# KiCad board !HDMI2USB.kicad_pcb (continued)
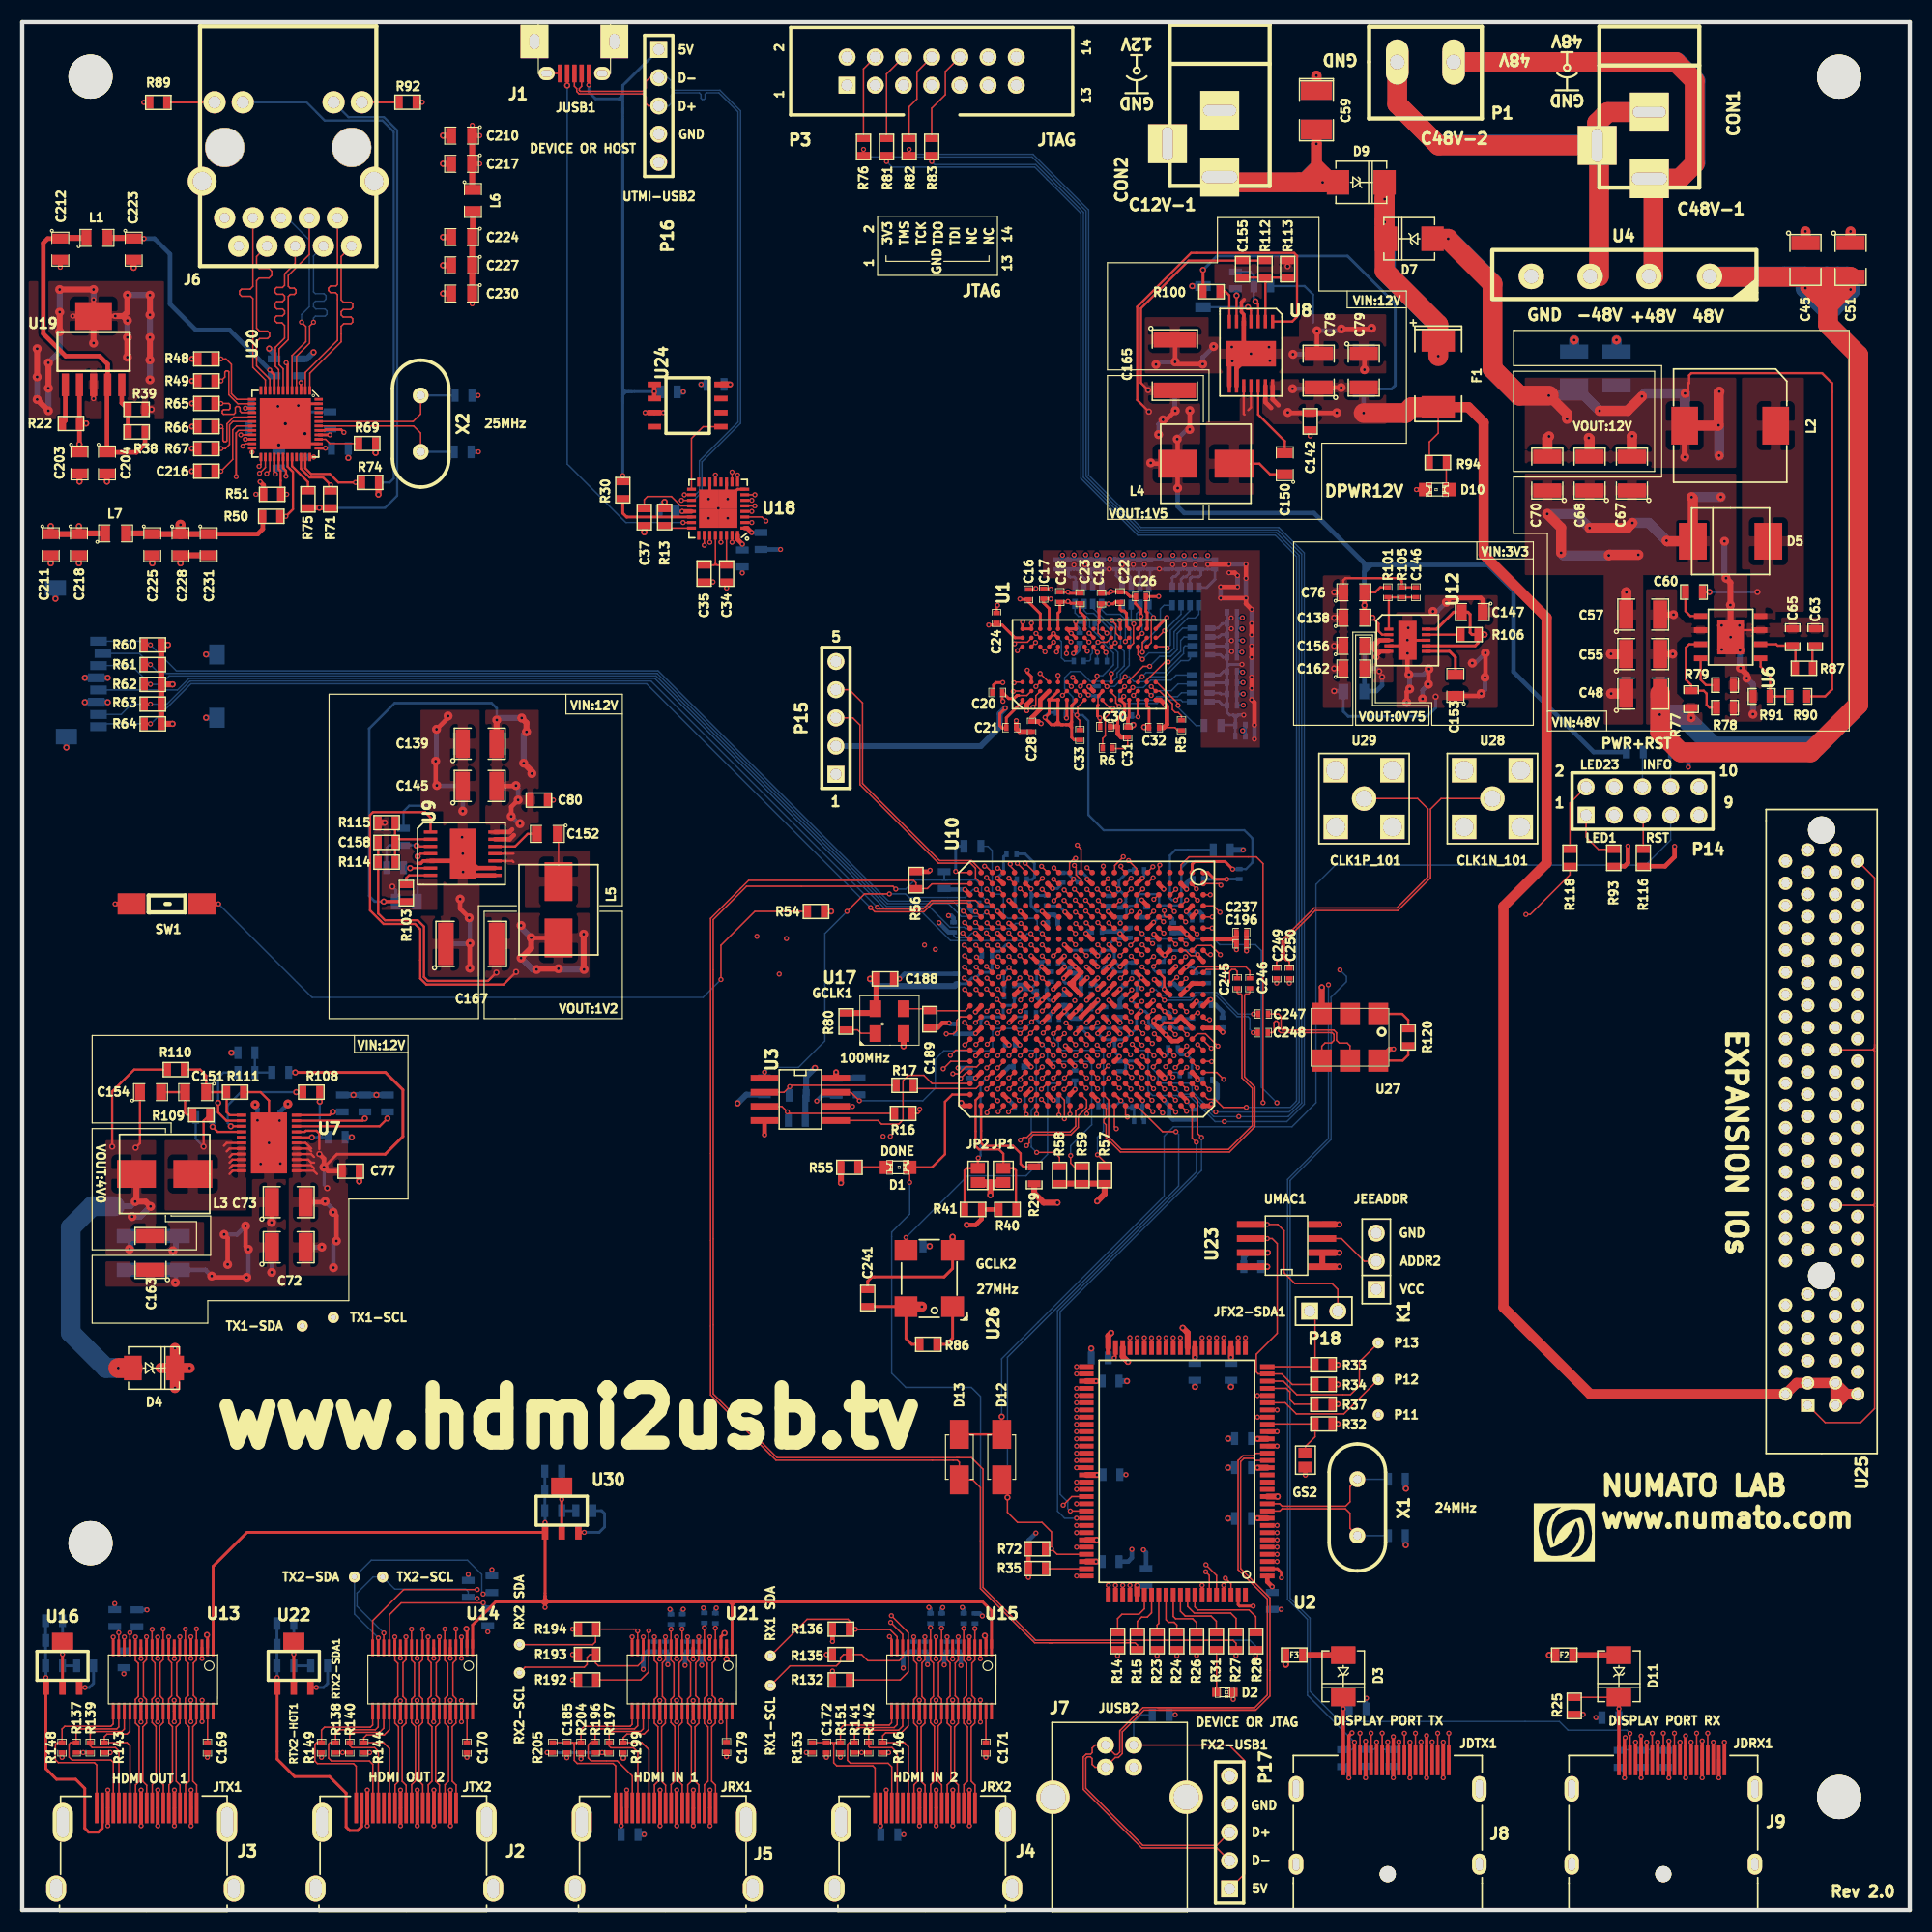
[diagram p0: board, top side]
## Routing (per net, layer and track width the routed paths; a pad name or vN(x,y) marks a point on that pad's centre or on a via; arc(x,y) is an arc through that point) (continued)
VCC1V5: length 249.4
  TOP w0.127: 99.65,106.76 99.69,106.79 U1.N1 ; 96.94,109.36 97.29,109.7 U1.K2 ; 96.05,109.36 96.04,109.37 v1(96.03,109.41) 96.02,109.42 ; 97.29,109.71 96.89,109.31 96.89,107.51 v1(97.05,107.34) ; 94.08,107.37 v1(94.05,107.33) ; U1.B2 90.49,109.36 89.55,109.36 89.53,109.35 ; 97,115.91 97,115.97 97,115.87 96.9,115.77 96.9,114.98 97.29,114.59 U1.K8 ; v1(87.05,115.71) 88.28,115.71 89.44,114.56 U1.A8 ; 94.73,113.19 v1(94.68,113.15) ; 100.85,92.87 v1(100.88,92.91) ; U10.L2 96.31,92.42 ; 101.35,90.42 U10.F4 101.36,90.39 ; U10.C2 104.36,92.41 ; U10.R2 92.36,92.41
  TOP w0.203: 105.81,149.22 114.55,149.22 114.81,148.96 114.81,143.47 114.39,143.04 U8.1 ; 105.81,149.22 105.74,149.22 ; 105.81,149.22 105.27,149.22 100.42,144.37 100.42,135.98 v3(101.47,134.93) ; v3(101.41,136.86) 100.75,137.52 100.75,144.23 105.05,148.53 C155.2 R112.1 ; 120.88,117.48 v3(120.89,117.48) ; 120.89,118.65 C76.2 121.85,118.66 122.3,119.11 R101.1 ; v3(121.61,116.37) 122.16,115.82 122.16,115.16 122.48,114.84 U12.2
  TOP w0.254: 101.29,108.92 101.29,108.4 101.49,108.2 C32.2 ; 99.55,106.65 99.55,107.26 99.69,107.4 U1.N1 ; 96.89,108.51 96.9,108.51 96.84,108.45 96.84,107.52 97.08,107.28 C30.2 ; 91.68,108.95 U1.C1 ; U1.A1 90.05,108.93 90.05,108.78 88.63,107.36 C21.2 88.51,106.43 88.26,106.43 88.04,106.65 88.04,107.72 88.53,108.2 v1(88.53,108.22) ; 89.52,109.3 89.31,109.09 88.84,109.09 88.3,109.63 C20.2 88.26,109.52 88.26,108.91 v1(88.33,108.84) ; 89.52,109.3 89.53,109.31 ; 89.52,109.3 89.59,109.37 89.74,109.37 89.74,109.36 ; 96.94,109.36 96.94,109.3 96.94,109.37 97.29,109.71 U1.K2 ; 96.02,109.42 96.02,109.41 95.68,109.74 U1.H2 ; 96.98,117.18 96.98,116.94 ; 96.98,116.94 96.98,115.97 97,115.97 ; 96.98,116.94 96.98,117.15 97.19,117.36 97.19,117.58 C19.2 ; C19.2 97.2,117.4 ; C19.2 97.82,117.64 v1(97.85,117.61) 98.27,117.61 98.42,117.77 C22.2 98.87,117.11 99,116.99 99.24,116.99 99.46,116.77 99.46,115.59 U1.N9 ; v1(92.63,118.06) 92.62,118.08 C17.2 91.98,118.04 91.98,117.7 92.49,117.19 U1.D9 ; v1(89.86,118.06) 89.9,118.02 C16.2 90.58,118.02 90.58,117.84 91.69,116.73 U1.C9 ; v1(87.05,115.71) 87.05,115.71 88.26,115.71 89.41,114.56 U1.A8 ; C24.2 87.73,115.85 87.59,115.71 87.11,115.71 ; 94.73,113.19 94.73,113.15 94.89,113.31 U1.G7 ; 100.38,92.43 U10.G2 ; 98.32,89.43 U10.J5 ; v1(102.35,118.29) 102.34,118.28 C26.2 101.21,116.94 101.33,116.82 101.33,115.4 101.27,115.35 U1.R9 ; U1.E9 93.29,116.78 93.46,116.95 93.46,117.67 C18.2 94.13,117.78 v1(94.18,117.83) 94.23,117.87 94.43,117.67 C23.2 95.26,117.68 95.26,116.89 95.69,116.47 U1.H9 ; 100.85,92.87 100.82,92.87 ; 94.08,107.37 U1.F1
  TOP w0.406: 96.31,92.42 v1(95.91,92.82) ; U10.N5 v1(93.91,89.87) ; 92.36,92.41 v1(92.79,91.98) ; 101.29,108.92 U1.R1 ; v3(101.05,106.52) 101.1,106.47 C32.2 ; 99.55,106.65 C31.2 99.86,106.5 v3(100.06,106.71) ; 91.71,106.83 91.53,107.02 91,107.02 C28.2 90.91,107.35 91.68,108.13 91.68,108.95 ; 104.36,92.41 v1(104.86,91.91) ; 100.82,92.87 100.38,92.43 ; 96.32,87.42 v1(95.8,87.94) ; 88.34,92.42 v1(87.84,92.92) ; 90.37,89.44 v1(89.91,89.9) ; v1(97.81,89.9) 98.29,89.42 U10.J5 ; v2(104.02,132.45) 104.06,132.41 L4.2 ; v2(105.14,133.32) 105.16,133.33 v2(105.16,135.02) ; v2(103.85,135.01) 103.03,134.19 v2(102.74,134.19) ; v2(101.63,130.31) 101.71,130.24 L4.2 ; 101.35,90.42 v1(100.84,90.94) ; L4.2 104.06,128.04 ; v3(120.89,117.48) 120.89,118.65 ; C138.2 120.88,117.48 ; U1.D2 U1.C1
  BOTTOM w0.203: v3(120.89,117.48) 120.88,117.48 ; 120.89,118.65 C76.2 ; v3(121.61,116.37) C138.2
  BOTTOM w0.254: C27.2 96.83,109.32 96.3,109.32 96.22,109.41 v1(96.03,109.41) ; v1(94.68,113.15) 94.74,113.14 94.92,113.14 95.24,113.46 C25.2 ; v1(100.88,92.91) 100.89,92.89 101.04,93.04 C102.1 ; C84.1 95.34,93.37 95.52,93.37 95.91,92.98 v1(95.91,92.82) ; C82.1 93.54,92.53 93.54,92.27 93.25,91.98 v1(92.79,91.98) ; 96.27,88.12 C96.1 ; 105.47,92.78 C86.1 ; 88.3,93.41 87.83,92.95 v1(87.84,92.92) 88.39,93.46 88.39,94.84 C127.1 ; v1(93.91,89.87) 93.37,90.41 92.34,90.41 C92.1 ; C88.1 89.41,92.62 89.41,90.4 v1(89.91,89.9) ; v1(104.86,91.91) 104.86,91.97
  BOTTOM w0.406: v1(94.05,107.33) 94.05,107.37 94.01,107.41 C29.2 ; v1(95.8,87.94) 95.98,88.12 96.27,88.12 ; 105.47,92.78 105.19,92.78 104.86,92.46 104.86,91.97 ; C94.1 97.81,90.34 v1(97.81,89.9) ; 120.88,117.48 C138.2 ; v2(104.02,132.45) 104.89,133.32 v2(105.14,133.32) ; v2(103.85,135.01) 103.81,135.06 C165.2 ; v2(102.74,134.19) 102.34,133.79 v2(102.34,132.86) ; C98.1 101.26,90.51 v1(100.84,90.94) ; 120.89,121.25 120.65,121.49 ; 120.65,121.49 116.34,125.8 104.66,125.8 104.06,126.39 v2(104.06,128.04) ; 120.65,121.49 120.88,121.26 C81.2 120.88,120.51 121.49,121.12 ; 120.65,121.49 121.02,121.12 121.49,121.12 ; 121.49,121.12 132,121.12 134.3,118.81 134.3,111.49 141.53,104.27 R117.2 ; v3(120.89,117.48) 120.89,118.65
  BOTTOM w0.533: v1(88.53,108.22) 88.04,107.73 88.04,106.52 86.32,104.8 P15.2
  vias: v1(91.77,106.83)
VCC3V3: length 292.1
  TOP w0.127: 92.36,82.43 92.36,82.47 U10.R12 ; 89.89,82.95 v1(89.87,82.94) ; U10.T13 91.34,81.41 ; 100.37,82.41 U10.G12 ; U10.R10 92.36,84.41
  TOP w0.203: U27.6 124.33,76.49 124.83,76.98 R120.2
  TOP w0.229: v1(98.35,49.7) 98.46,49.82 U2.49
  TOP w0.254: 76.55,80.86 U17.4 ; U12.10 127.38,115.34 128.92,116.88 C147.2 130.2,116.88 130.4,116.68 130.4,115.02 130.57,114.85 R106.2 131.11,114.08 130.86,113.84 U12.7 ; U26.4 79.59,51.45 80.11,50.93 R86.1 ; v3(86.7,24.68) 86.8,24.58 U15.2 ; 40.07,25.23 v3(40,25.3) 40.06,25.24 U14.2 ; v3(16.64,24.75) 16.69,24.7 U13.2 ; U21.2 63.43,22.57 ; R199.1 v3(54.13,13.68) ; C241.2 79.58,54.33
  TOP w0.406: v1(95.94,78.82) 96.34,78.42 ; 101.38,88.41 v1(101.9,88.93) ; U10.B4 v1(104.85,89.9) ; 102.36,77.37 v1(102.82,76.91) ; 99.36,85.41 v1(98.89,84.94) ; 100.37,80.52 v1(100.77,80.92) ; 100.37,82.41 v1(99.89,81.93) ; 89.36,78.37 v1(89.85,77.88) ; 91.91,81.99 92.36,82.43 ; U10.AA11 v1(85.87,83.91) ; 89.31,86.42 v1(88.85,86.88) ; 86.36,87.45 v1(85.86,87.96) ; 85.36,91.41 v1(84.89,91.88) ; 92.36,88.44 v1(91.94,88.87) ; 94.35,86.42 v1(93.86,86.91) ; 91.36,85.42 v1(90.87,85.91) ; 92.36,84.41 v1(91.84,84.94) ; 89.36,82.42 89.89,82.95 ; 99.36,79.41 v1(99.86,78.91) ; 97.36,79.42 v1(96.86,78.92) ; 95.36,79.41 v1(94.87,78.91) ; v1(88.86,88.85) 88.93,88.85 U10.V6 ; U10.B19 105.86,74.92 v1(105.86,74.73) ; v1(85.87,78.92) 85.87,78.92 U10.AA15 ; v1(81.77,93.62) 81.64,93.49 R56.2 ; 76.94,81.25 U17.4 ; U10.T13 91.86,81.91 v1(91.86,81.93) ; v1(104.88,72.81) 104.88,72.9 U10.C21 ; 100.38,73.42 v1(100.91,72.89) ; v3(85.07,61.68) 85.87,61.68 86.4,62.21 R41.2 R40.1 ; v1(59.43,125.94) 59.44,125.94 U18.21 ; v1(64.86,122.99) 64.43,123.42 U18.32 ; v1(65.69,124.04) 65.29,124.44 U18.1 ; v1(21.43,128.61) 21.75,128.29 R51.2 ; v1(72.43,22.99) 72.43,22.99 R135.1 ; v1(112.57,29.11) 112.14,29.54 U2.1 ; v1(123.51,77.52) 123.16,77.52 U27.6 ; v1(144.61,95.79) 144.61,94.28 144.31,93.98 R93.1 ; R75.2 R71.2 ; v1(81.65,27.24) 81.65,27.23 ; C217.1 v1(41.2,157.25) ; C203.1 R22.2 U19.2 ; U10.G10 100.37,84.4 v1(100.82,83.94) 101.35,83.42 U10.F11 ; R144.1 v1(31.29,14.16) ; U10.U18 v1(90.87,75.91) ; U10.AA19 v1(85.87,74.92) ; v1(98.81,76.85) 98.38,76.42 ; R72.2 R35.2 90.63,29.94 ; U10.W21 88.85,72.93 ; U10.N18 94.78,76 ; R92.2 36.02,162.79 ; R143.1 v1(7.93,14.16) ; R146.1 v1(78.03,14.16) ; R192.1 v1(49.57,20.7) ; U10.U11 90.84,82.94 ; U10.W5 87.86,89.92 ; R132.1 v1(72.97,21.5) ; GS2.2 v1(115.57,39.15) ; 40.53,160.71 C210.1 v1(41.2,159.79) ; R194.1 v1(49.57,25.28) ; U10.L21 v1(96.86,72.92) ; R136.1 v1(72.97,24.17) ; U10.L8 v1(96.86,85.92) ; R193.1 v1(49.57,22.99) ; U10.R21 v1(92.87,72.91)
  TOP w0.533: C218.1 5.17,123.96 L7.1 ; C218.1 v3(5.11,124.61) ; C218.1 C211.1 2.57,124.61 ; L6.1 40.53,154.96 C217.1 C210.1 ; v3(96.81,63.81) 97.48,64.48 R57.2 R59.2 R58.2 ; R33.2 118.5,49.09 ; R80.1 76.46,80.77 U17.4 76.94,81.25 C188.2 v3(76.35,83.84) ; v3(13.12,113.92) R60.2 R61.2 R62.2 ; R55.2 v3(73.74,65.47) ; R62.2 v3(13.54,110.37) ; R62.2 R63.2 R64.2 v3(13.54,106.81) ; U2.66 v1(96.8,39.17) ; U2.85 100.41,29.22 ; R34.2 118.5,47.31 ; C203.1 5.16,131.98 ; U2.53 96.72,47.62 ; U10.E19 v1(102.86,74.92) ; U2.9 v1(111.26,35.27) ; U2.20 111.26,42.42 ; U2.38 v1(105.61,49.76) ; U3.8 v1(73.3,75.43) ; R22.2 v3(5.76,133.86) ; U2.33 v1(108.86,49.76) ; U2.78 v1(96.72,31.37) ; U23.8 v3(112.13,57.91) ; R106.2 131.7,114.85 ; U2.16 v1(111.26,39.82)
  TOP w0.914: U26.4 81.03,54.32 ; D4.2 v2(12.46,48.8) ; D4.2 13.76,47 ; D4.2 v2(15.08,48.8) ; D4.2 v2(13.76,50.6)
  PWR w0.254: 90.87,85.95 90.63,86.19 ; 90.63,86.19 90.37,86.45 90.37,87.27 90.22,87.42 89.48,87.42 89.33,87.57 89.33,88.37 v1(88.86,88.85) 88.39,88.37 88.39,87.38 88.85,86.92 v1(88.85,86.88) ; 90.63,86.19 91.08,86.19 91.34,86.45 ; 91.34,86.45 90.87,85.98 v1(90.87,85.91) ; 91.34,86.45 91.34,88.27 v1(91.94,88.87) 92.36,88.44
  PWR w0.406: 91.94,88.53 91.96,88.51 ; v1(91.94,88.87) 91.94,88.82
  PWR w0.533: 91.85,81.93 v1(91.86,81.93) ; 96.86,78.84 96.57,78.54 ; 95.94,78.8 96.22,78.51 ; 90.63,86.19 90.87,85.95 v1(90.87,85.91) ; v1(91.94,88.87) 91.94,88.53
  PWR w0.61: v1(94.87,78.91) 94.87,78.73 ; v1(85.87,78.92) 85.87,78.71 ; v1(99.86,78.91) 99.86,78.66 ; v1(95.94,78.82) 95.94,78.8 ; v1(96.86,78.92) 96.86,78.84 ; v1(104.85,89.9) 104.85,89.8
  BOTTOM w0.127: v1(85.86,87.96) 85.52,87.96 85.1,87.54 84.12,87.54 83.88,87.77 C101.2 ; 93.81,86.95 v1(93.86,86.91) ; v1(102.86,74.92) 103.37,75.42 104.02,75.42 C108.2 ; v1(98.81,76.85) 98.81,76.44
  BOTTOM w0.229: C242.2 92.88,72.92 v1(92.87,72.91) ; C239.1 112.12,57.92 v3(112.13,57.91) ; 95.38,79.37 v1(95.94,78.82) ; v1(96.86,72.92) 96.93,72.86 C110.2 ; C112.2 105.51,72.18 v1(104.88,72.81) ; C116.2 94.81,76 v1(94.8,76) ; C118.2 100.88,71.22 C114.2 100.91,72.29 v1(100.91,72.89) ; v1(98.35,49.7) 97.81,49.7
  BOTTOM w0.254: C120.2 103.64,89.29 103.45,89.47 102.44,89.47 v1(101.9,88.93) ; C123.2 103.19,77.06 103.04,76.91 v1(102.82,76.91) ; C115.2 86.42,90.38 87.4,90.38 v1(87.86,89.92) ; 91.37,85.42 91.99,85.42 ; 91.99,85.42 91.84,85.26 v1(91.84,84.94) ; 91.99,85.42 92.29,85.42 C87.2 ; v1(88.85,86.88) 88.59,86.88 88.04,86.33 87.49,86.33 87.33,86.18 C105.2 87.33,84.64 87.12,84.43 86.39,84.43 v1(85.87,83.91) 85.52,83.91 85,83.39 C91.2 ; v1(99.86,78.91) 99.32,78.36 98.61,78.36 ; v1(99.86,78.91) 100.36,79.4 100.36,80.51 v1(100.77,80.92) ; v1(99.86,78.91) 99.39,79.39 95.34,79.39 v1(94.87,78.91) ; v1(93.86,86.91) 94.34,86.42 96.45,86.42 96.86,86.01 v1(96.86,85.92) 97.37,86.42 98.11,86.42 98.36,86.17 98.36,85.46 v1(98.89,84.94) ; v1(98.81,76.85) 98.38,77.28 98.38,77.58 ; 98.61,78.36 98.38,78.13 98.38,77.58 ; 98.61,78.36 98.11,78.36 ; 98.38,77.58 98.38,78.09 98.11,78.36 ; 98.11,78.36 97.42,78.36 v1(96.86,78.92) ; 91.69,85.28 91.84,85.12 v1(91.84,84.94) ; C103.2 89.34,81.66 89.15,81.46 88.56,81.46 88.35,81.26 88.35,80.66 88.11,80.41 86.66,80.41 86.34,80.09 86.34,79.4 85.87,78.93 v1(85.87,78.92) ; v1(91.84,84.94) 91.37,84.46 91.37,83.47 v1(90.84,82.94) ; v1(91.84,84.94) 91.84,84.94 v1(90.87,85.91) 91.35,85.43 ; v1(100.77,80.92) 100.77,81.05 v1(99.89,81.93) 100.38,82.43 100.38,83.51 v1(100.82,83.94) ; v1(100.77,80.92) 101.13,80.92 101.43,80.61 101.43,79.85 101.87,79.41 C109.2
  BOTTOM w0.406: C93.2 92.3,84.48 91.85,84.94 v1(91.84,84.94) ; 89.87,82.94 v1(89.87,82.94) ; v1(89.87,82.94) 89.87,82.85 C103.2 ; v1(89.87,82.94) v1(90.84,82.94) ; C107.2 85.83,78.88 v1(85.87,78.92) ; R52.1 83.12,91.88 v1(84.89,91.88) ; v1(104.85,89.9) 104.89,89.9 105.37,89.42 C213.2 ; C119.2 100.34,84.42 v1(100.82,83.94) ; v1(82.57,88.9) 83.44,88.04 C101.2 ; 64.86,122.99 v1(64.86,122.99) 64.86,122.47 C201.1 ; C202.1 58.89,125.94 v1(59.43,125.94) ; C190.2 66.53,124.04 v1(65.69,124.04) ; 55.93,22.89 56.19,23.15 ; 55.93,22.89 56.29,23.26 R203.1 ; 55.93,22.89 v1(55.93,21.66) ; v1(58.33,27.06) 58.42,26.97 R201.1 ; v1(59.53,27.07) 59.45,26.99 R190.2 ; v1(61.35,27.19) 61.43,27.11 R198.1 ; v1(62.51,27.18) 62.44,27.11 R188.2 ; v1(81.65,27.24) 81.79,27.1 R147.2 ; v1(82.91,27.22) 82.81,27.12 R125.2 ; v1(84.66,27.23) 84.79,27.1 R152.2 ; v1(86.47,26.46) 86.24,26.69 R131.2 ; R191.2 58.14,23.04 v1(58.14,22.08) ; R200.1 59.7,23.03 v1(59.7,22.01) ; R189.2 61.2,22.99 v1(61.2,22.03) ; R145.2 79.75,23.26 79.34,22.85 v1(79.34,21.77) ; R124.2 81.53,23.02 v1(81.53,22.08) ; R150.2 83.04,22.99 v1(83.04,22.06) ; R128.2 84.54,23.02 v1(84.54,22.01) ; C95.2 91.94,88.86 v1(91.94,88.87) ; v1(88.85,72.93) 89.39,72.39 C243.2 ; C85.2 85.86,74.92 v1(85.87,74.92) 85.86,74.91 ; C97.2 90.47,83.3 v1(90.84,82.94) ; v1(90.84,82.94) 91.09,82.69 C89.2 91.38,82.21 91.66,81.93 v1(91.86,81.93) ; R130.1 v1(8.33,27.58) ; R129.1 v1(40.17,30.21) ; v1(105.86,74.73) C111.2 ; R126.1 v1(41.93,25.03) ; R134.1 v1(9.16,21.25) ; v1(89.85,77.88) 89.44,77.88 ; R127.1 v1(11.24,27.01) ; v1(112.57,29.11) 112.57,28.59 ; v1(90.87,75.91) 90.19,75.91 ; R133.1 v1(42.3,30.63)
  BOTTOM w0.533: C58.1 108.86,49.22 v1(108.86,49.76) ; v3(64.43,72.63) 65.21,73.41 R18.1 ; v3(71.39,75.82) 70.6,75.03 R19.1 70.53,73.27 R20.1 ; C91.2 83.99,83.2 76.99,83.2 v3(76.35,83.84) ; v3(5.64,110.96) U11.4 v3(7.7,110.96) ; v1(96.72,47.62) 97.25,47.62 ; v1(111.26,35.26) 110.73,35.26 ; v1(105.61,49.76) C66.1 ; v1(96.8,39.17) 97.31,39.17 ; R21.2 73.36,74.92 C36.2 73.3,74.91 v1(73.3,75.43) ; v1(111.26,42.42) 110.74,42.42 ; v1(100.41,29.22) 101.21,29.22 ; v1(111.26,39.82) 110.72,39.82 ; v1(96.72,31.37) 97.25,31.37
  vias: v1(36.02,162.79) v1(40.53,160.71) v1(90.62,29.93) v1(118.51,49.09) v1(118.51,47.32) v2(13.76,47) v2(81.03,54.32) v3(2.57,124.62) v3(5.15,131.99) v3(26.77,126.26) v3(63.43,22.57) v3(131.71,114.84)
VCC4V0: length 196.6
  TOP w0.203: v3(10.21,68.63) 10.6,69.03 C154.1 ; v3(8.1,68.74) 8.1,73.69 10.08,75.67 R110.2
  TOP w0.533: v2(11.56,63.35) 11.12,63.78 v2(10.18,63.78) 10.29,63.89 L3.2
  TOP w0.61: v3(113.8,22.09) F3.1 ; F2.1 137.52,22.94
  TOP w1.778: D4.1 v2(8.65,48.8)
  PWR w0.914: v2(8.65,48.8) 19.62,37.82 41.72,37.82 47.44,32.11 67.11,32.11 70.07,29.15 70.07,21.94 71.73,20.27 111.98,20.27 v3(113.8,22.09) 136.68,22.09 v3(137.52,22.93)
  BOTTOM w0.203: v3(8.1,68.74) 8.08,68.74
  BOTTOM w0.533: v2(10.18,63.78) 9.76,63.37 8.36,63.37 ; v2(11.56,63.35) 10.64,62.43 v2(9.9,62.43) ; v2(9.66,59.49) 9.78,59.61 C157.2 ; v2(13.58,59.35) 13.84,59.62 C160.2
  BOTTOM w1.778: 8.36,63.37 6.29,63.37 4.37,61.45 4.37,51.97 7.54,48.8 v2(8.65,48.8) 9.83,48.8
VCC12V0: length 632.5
  TOP w0.127: F1.2 127.53,132.99 126.73,132.19 R94.1
  TOP w0.203: 26.03,68.56 25.53,69.07 U7.17 ; 26.03,68.3 25.78,68.56 U7.16 ; 26.29,67.8 26.02,68.06 U7.15 ; 26.29,67.29 26.03,67.29 25.76,67.56 U7.14 ; 26.29,66.78 26.01,67.06 U7.13 ; 26.54,66.27 26.25,66.56 U7.12 ; 26.76,68.5 26.76,69.91 26.51,70.16 25.54,70.16 25.44,70.07 U7.19
  TOP w0.254: v1(26.49,20.02) 26.49,20.02 U22.3 ; R100.1 v3(106.35,147.69) ; U30.3 50.62,33.99 ; v2(27.18,66.88) 28.35,68.05 32.69,68.05 34.29,69.65 34.29,73.84 32.71,75.42 v3(24.59,75.42) ; U16.3 5.66,20.02
  TOP w0.305: v3(32.57,90.8) 32.42,90.8 32.42,90.8 R103.1
  TOP w0.406: v2(44.47,101.25) 44.43,101.21 C145.2 ; v2(44.67,99.95) 44.04,99.33 v2(44.04,98.48) ; 44.28,96.79 43.9,96.42 U9.13 ; 44.13,97.3 43.89,97.07 U9.14 ; v2(27.28,63.79) 27.22,63.73 C73.2 ; v2(28.01,62.82) 28.3,62.53 v2(28.3,60.24) ; v2(118.78,137.09) 116.76,137.09 C78.1 ; 112.49,135.26 111.96,135.78 U8.13 ; 113.14,135.5 112.61,136.02 U8.14 ; v2(113.98,134.85) 114.03,134.81 C142.1 118.37,134.81 v2(118.39,134.83) ; v3(26.76,68.07) 27.18,67.65 v2(27.18,66.88) 27.53,66.53 C77.2
  TOP w0.533: v2(42.74,107.16) 42.73,107.14 C139.2 ; v2(44.99,107.33) 45.42,106.9 v2(45.42,106.09) ; v2(45.16,103.27) 45.9,102.53 v2(45.9,102.33) ; U24.8 63.76,137.38
  TOP w0.914: F1.2 130.24,135.33 131.62,133.95 131.62,122.05 137.29,116.39 137.29,94.25 133.4,90.36 133.4,54.26 141.21,46.45 U25.A2 159.81,47.45 U25.A3 U25.B3 ; 164.31,46.45 U25.B2 164.31,46.45 ; 164.31,46.45 U25.B3 ; 164.31,46.45 U25.B1 U25.B3
  TOP w1.778: v2(120.81,134.8) 124.6,134.8 125.14,135.33 F1.2
  PWR w0.533: v2(28.01,62.82) 32.13,62.82 50.59,44.36 50.59,37.95 50.62,37.92 v1(50.62,34) ; v2(28.03,57.84) 25.06,54.87 6.3,54.87 2.22,50.79 2.22,29.58 4.74,27.06 4.74,20.94 v1(5.66,20.02) v1(26.49,20.02)
  PWR w0.914: 59.77,144.27 63.76,140.28 v1(63.76,137.38) ; 59.77,144.27 59.77,146.3 ; 59.77,144.27 57.74,144.27
  PWR w1.778: v2(120.81,134.8) 123.49,137.48 123.49,144.92 116.26,152.16 65.62,152.16 43.85,130.39 43.85,111.47 ; 42.24,109.86 43.85,111.47 ; 43.85,111.47 43.85,107.66 ; 41.65,109.86 43.85,107.66 ; 41.65,109.86 43.85,109.86 ; 41.65,109.86 36.14,109.86 31.19,104.9 31.19,87.89 34.49,84.58 34.49,70.03 31.35,66.88 v2(27.18,66.88) ; 43.85,107.66 v2(45.42,106.09)
  BOTTOM w0.229: v2(42.74,107.16) 42.74,107.16 42.74,108.22 42.28,108.68 33.54,108.68 31.25,106.39 31.25,91.3 31.75,90.8 v3(32.57,90.8)
  BOTTOM w0.254: C177.1 27.51,20.38 27.15,20.02 v1(26.49,20.02) ; C173.1 6.43,20.39 6.06,20.02 v1(5.66,20.02) ; C183.1 52.19,35.94 52.45,35.68 52.45,34.48 51.97,34 v1(50.62,34) ; v3(27.46,65) 27.18,65.28 v2(27.18,66.88) ; v3(106.35,147.69) 107.6,148.94 119.36,148.94 123.66,144.65 123.66,137.3 123.33,136.97 C133.2
  BOTTOM w0.406: v2(44.47,101.25) 44.67,101.06 v2(44.67,99.95) ; v2(44.04,98.48) 44.7,97.82 v2(44.83,97.82) ; v2(27.28,63.79) 28.01,63.06 v2(28.01,62.82) ; v2(28.3,60.24) 28.03,59.97 v2(28.03,57.84) ; v2(26.98,59.69) 26.97,59.67 C72.2 ; v2(120.81,134.8) 120.81,136.96 C133.2 ; v2(114.41,136.99) 116.65,136.99 C78.1 ; v3(24.59,75.42) R95.1
  BOTTOM w0.533: v2(42.74,107.16) 42.92,107.33 v2(44.99,107.33) ; v2(45.42,106.09) 45.16,105.84 v2(45.16,103.27) ; C38.1 63.21,137.38 v1(63.76,137.38)
/DDR3/DDR0_A0: length 52.1
  TOP w0.127: v1(101.55,111.99) 100.96,111.99 99.69,110.72 U1.N3 ; v1(97.78,92.85) 97.36,92.44 U10.K2
  SIGNAL1-X w0.127: 97.75,92.83 97.84,92.93 97.84,96.37 97.78,96.43 ; 97.78,96.44 96.05,98.16 ; 96.05,98.16 95.99,98.22 94.13,98.22 93.76,97.84 91.35,97.84 91.25,97.94 91.25,98.17 91.35,98.27 91.79,98.27 91.88,98.36 91.88,101.5 92.08,101.69 92.08,103.16 92.28,103.36 99.3,103.36 99.83,103.89 99.84,103.89 99.84,104.11 99.7,104.24 99.53,104.24 99.07,103.78 96.91,103.78 ; 96.91,103.78 96.78,103.91 96.78,104.11 96.88,104.21 98.62,104.21 99.04,104.63 101.78,104.63 103,105.85 103,107.94 103.35,108.29 103.35,110.18 v1(101.55,111.99)
  BOTTOM w0.127: 101.59,111.96 101.54,111.96 v1(101.55,111.99) 102.45,112.89 103.43,112.89 104.02,113.47 104.02,114.93 104.52,115.43 R8.8
/DDR3/DDR0_A1: length 54.4
  TOP w0.127: v1(100.89,112.62) 100.49,113.03 U1.P7 ; U10.K1 v1(97.36,93.99)
  SIGNAL1-X w0.127: v1(97.36,93.99) 97.55,94.18 97.55,96.09 95.83,97.81 94.33,97.81 93.98,97.46 91.01,97.46 90.72,97.75 90.72,98.38 90.85,98.52 91.18,98.52 91.5,98.84 91.5,101.69 91.7,101.88 91.7,103.49 91.97,103.76 96.18,103.76 ; 100.9,112.62 100.9,112 101.38,111.52 101.57,111.52 102.43,110.66 102.43,107.68 102.6,107.51 102.6,106 101.62,105.01 98.88,105.01 98.46,104.59 92.44,104.59 ; 92.44,104.59 92.28,104.43 92.28,104.31 92.39,104.19 96.29,104.19 96.41,104.07 96.41,103.88 96.29,103.76 96.19,103.76
  BOTTOM w0.127: v1(100.89,112.62) 101.47,113.2 103.31,113.2 103.74,113.64 103.74,115.11 104.98,116.35 105.63,116.35 105.97,116.68 R9.2
/DDR3/DDR0_A2: length 52
  TOP w0.127: U10.K5 v1(96.84,89.94) ; v1(100.86,111.06) 100.49,110.69 U1.P3
  SIGNAL1-X w0.127: v1(96.84,89.94) 96.48,90.29 96.48,91.23 96.7,91.45 97.09,91.45 97.25,91.61 97.25,92.39 97.1,92.54 97.1,93.44 96.92,93.62 96.92,94.83 97.1,95.01 97.1,95.93 95.63,97.39 94.53,97.39 94.21,97.07 90.62,97.07 90.32,97.37 90.32,101.12 90.43,101.22 90.57,101.22 90.7,101.09 90.7,98.99 90.78,98.91 90.99,98.91 91.12,99.03 91.12,101.86 91.3,102.04 ; v1(100.86,111.06) 101.01,111.21 101.44,111.21 102.12,110.53 102.12,107.03 102.21,106.93 102.21,106.15 101.47,105.4 98.7,105.4 98.28,104.98 91.92,104.98 91.76,104.82 91.76,104.09 91.3,103.64 91.3,102.04 ; 91.3,102.04 91.3,102.04
  BOTTOM w0.127: 100.91,111.1 100.84,111.05 ; 100.84,111.05 100.84,111.01 ; 100.84,111.05 v1(100.86,111.06) 101.23,111.43 102.9,111.43 104.6,113.13 104.6,113.7 104.73,113.84 R8.4
/DDR3/DDR0_A3: length 51.8
  TOP w0.127: v1(94.88,88.82) 95.29,88.41 U10.M6 ; v1(100.02,110.08) 99.7,109.76 U1.N2
  SIGNAL1-X w0.127: 89.42,95.89 92.92,95.89 93.52,95.3 95.44,95.3 95.58,95.16 95.58,94.74 95.19,94.35 95.19,91.58 95.33,91.44 95.33,89.58 94.88,89.13 v1(94.88,88.82) ; 89.43,95.89 89.07,96.24 89.07,103.78 88.97,103.89 88.84,103.89 88.73,103.78 88.73,101.2 88.62,101.09 88.37,101.09 88.3,101.16 88.3,103.84 89.26,104.79 89.26,106.11 89.47,106.33 91.04,106.33 91.23,106.14 94.14,106.14 94.31,106.31 97.69,106.31 97.87,106.49 97.87,106.74 98.04,106.92 99.34,106.92 100.59,108.17 100.59,109.82 100.32,110.08 100.04,110.08
  BOTTOM w0.127: R3.8 103.93,111.2 103.47,110.74 101.63,110.74 100.97,110.08 v1(100.02,110.08)
/DDR3/DDR0_A4: length 49.2
  TOP w0.127: v1(99.88,91.94) 99.36,91.42 U10.H3 ; U1.P8 v1(100.87,114.95)
  SIGNAL1-X w0.127: v1(99.88,91.94) 99.92,91.98 99.92,92.25 99.39,92.77 99.39,93.04 99.79,93.44 100,93.44 100.83,94.26 100.83,94.64 102.14,95.95 102.53,95.95 103.01,96.44 103.01,98.36 104.98,100.33 104.98,100.93 105.55,101.51 105.55,101.7 105.44,101.81 105.24,101.81 104.61,101.18 104.61,100.71 102.59,98.68 102.59,96.57 102.47,96.46 102.34,96.46 102.19,96.61 102.19,98.85 104.22,100.89 104.22,101.36 106.73,103.86 106.73,105.77 106.42,106.08 106.22,106.08 106.01,106.29 106.01,106.55 106.58,107.12 106.58,111.27 103.62,114.24 102.54,114.24 101.72,115.05 100.94,115.05 100.85,114.97
  BOTTOM w0.127: 100.87,114.94 v1(100.87,114.95) ; v1(100.87,114.95) 100.87,114.93 ; v1(100.87,114.95) 100.87,115.76 100.35,116.28 100.35,116.74 100.67,117.06 R2.4 100.67,117.21 ; 100.87,114.92 100.87,114.93 ; 100.87,114.93 100.88,114.93
/DDR3/DDR0_A5: length 51.7
  TOP w0.127: v1(94.76,91.92) 95.26,91.41 U10.M3 ; v1(100.09,109.37) 100.48,109.76 U1.P2
  SIGNAL1-X w0.127: 94.44,92.3 94.43,92.31 94.73,92.01 ; 94.73,92.01 94.07,92.67 94.07,94.17 92.73,95.51 88.86,95.51 ; 94.73,92.01 94.79,91.95 ; 88.87,95.51 88.86,95.51 ; 88.86,95.51 88.72,95.65 88.72,100.42 88.65,100.5 88.4,100.5 88.31,100.4 88.31,96.34 88.18,96.22 88.04,96.22 87.92,96.34 87.92,104.41 88.17,104.67 88.42,104.67 88.79,105.04 88.79,107.54 90.17,108.93 92.2,108.93 92.37,108.76 96.93,108.76 97.45,108.23 97.45,107.72 97.71,107.46 99.31,107.46 100.09,108.23 v1(100.09,109.37)
  BOTTOM w0.127: R3.4 104.41,109.61 104.05,109.25 102.19,109.25 101.88,108.95 100.51,108.95 v1(100.09,109.37)
/DDR3/DDR0_A6: length 51.8
  TOP w0.127: v1(95.78,90.91) 96.28,90.42 U10.L4 ; 101.29,114.55 100.89,114.16 100.89,113.26
  SIGNAL1-X w0.127: 95.46,94.12 95.46,91.7 95.78,91.38 95.78,90.91 v1(95.78,90.91) ; 100.87,113.24 100.23,112.61 100.23,110.83 100.97,110.09 100.97,107.13 100.54,106.71 100.54,106.44 100.28,106.17 98.23,106.17 97.82,105.76 91.4,105.76 91.15,105.51 91.15,104.59 91.04,104.47 90.8,104.47 90.72,104.55 90.72,105.73 90.49,105.96 ; 95.47,94.13 95.67,94.34 96.19,94.34 96.37,94.52 96.37,94.94 95.93,95.39 95.93,95.94 95.37,96.49 95.03,96.49 94.27,95.73 93.66,95.73 93.11,96.27 89.83,96.27 89.46,96.65 89.46,104.26 89.64,104.44 89.64,105.81 89.79,105.96 90.48,105.96
  BOTTOM w0.127: R9.8 102.83,117.49 102.5,117.15 102.5,115.61 100.89,114 v1(100.89,113.26)
/DDR3/DDR0_A7: length 50.1
  TOP w0.127: v1(96.88,88.91) 97.36,88.42 U10.K6 ; 101.29,109.76 v1(101.68,109.37)
  SIGNAL1-X w0.127: v1(96.88,88.91) 96.22,89.57 96.22,91.36 96.36,91.51 96.36,93.59 96.65,93.88 96.65,95.18 96.66,95.18 96.34,95.5 96.34,96.1 95.46,96.97 94.69,96.97 94.4,96.69 90.17,96.69 89.91,96.95 89.91,101.27 90.89,102.25 90.89,103.57 90.74,103.71 90.59,103.71 90.43,103.55 90.43,102.3 90.32,102.19 89.99,102.19 89.91,102.27 89.91,105.16 ; 101.69,109.35 101.69,106.68 101.79,106.58 101.79,106.29 101.29,105.79 98.43,105.79 98.01,105.37 91.69,105.37 ; 91.69,105.37 91.45,105.14 91.45,104.25 91.26,104.06 90.64,104.06 90.41,104.29 90.41,105.23 90.28,105.36 90.1,105.36 89.91,105.17
  BOTTOM w0.127: R3.6 104.1,110.4 103.49,109.79 102.1,109.79 v1(101.68,109.37)
/DDR3/DDR0_A8: length 49
  TOP w0.127: v1(100.91,91.93) 100.4,91.41 U10.G3 ; v1(102.88,115.2) 102.25,114.56 U1.T8
  SIGNAL1-X w0.127: v1(100.91,91.93) 101.36,92.37 101.36,94.09 102.59,95.33 102.95,95.33 103.85,96.23 ; 107.55,111.43 107.55,103.47 106.35,102.28 106.35,101.27 106.47,101.15 106.73,101.15 106.84,101.26 106.84,102.21 107.94,103.31 107.94,107.58 108.05,107.69 108.3,107.69 108.44,107.54 108.44,103.24 107.25,102.05 107.25,100.22 103.85,96.81 103.85,96.23 ; 107.55,111.43 103.47,115.51 103.14,115.51 102.87,115.24 102.87,115.18
  BOTTOM w0.127: 102.85,115.17 102.85,115.18 ; 102.85,115.18 102.95,115.18 ; 102.85,115.18 102.89,115.18 102.88,115.18 v1(102.88,115.2) 104.37,116.69 R9.6
/DDR3/DDR0_A9: length 49.7
  TOP w0.127: v1(99.64,94.49) 100.37,93.77 U10.G1 ; v1(103.2,112.38) 102.92,112.38 101.29,110.74 U1.R3
  SIGNAL1-X w0.127: 97.88,100.7 97.74,100.55 97.74,100.37 97.86,100.25 100.73,100.25 100.85,100.13 100.85,99.94 100.74,99.83 97.72,99.83 97.62,99.73 97.62,99.62 97.71,99.53 100.83,99.53 100.98,99.38 100.98,99.23 100.9,99.15 98.4,99.15 98.32,99.07 98.32,98.91 98.42,98.81 100.95,98.81 101.07,98.69 101.07,98.55 100.97,98.46 99.01,98.46 98.91,98.36 98.91,98.2 99.05,98.06 99.49,98.06 ; 99.5,98.06 99.64,97.91 99.64,94.52 ; v1(103.2,112.38) 103.34,112.38 105,110.72 105,109.5 105.35,109.15 105.35,107.64 104.85,107.14 104.85,104.78 102.65,102.57 101.67,102.57 100.94,101.84 100.94,101.45 101.11,101.27 101.11,100.8 101.01,100.69 97.88,100.69